# Allegro board MinnowMax_RevA1.brd (continued)
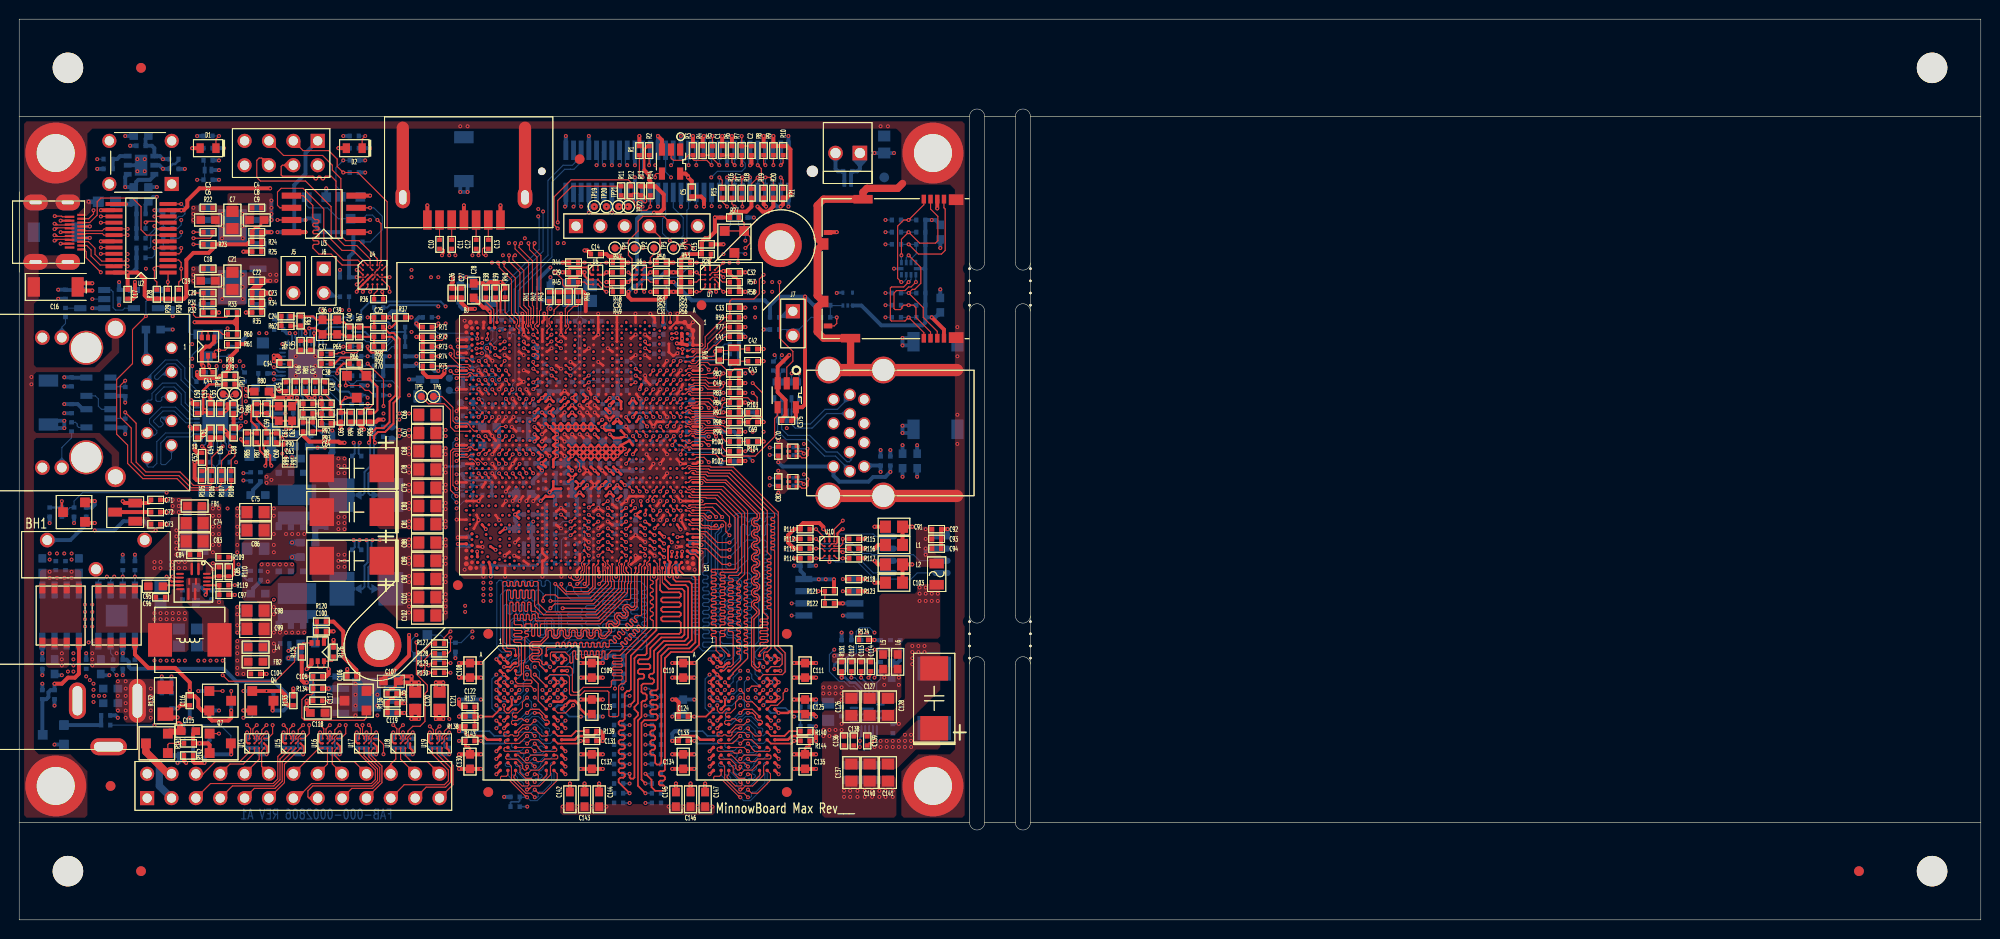
[diagram p0: board, top side]
## Nets (continued)
ISUMN: R249.1 R250.1 U27.17(ISUMN)
ISUMN_RC: C229.1 R249.2
ISUMNG: R62.1 R63.1 U27.36(ISUMNG)
ISUMNG_RC: C24.1 R62.2
ISUMP_R: R85.1 R285.2
ISUMPG_R: R70.1 R262.2
LAN_ACTIVE-: LAN1.27(LED0) R106.1
LAN_CLKREQ2_B: CPU1.BG5(P\C\I\E\_\C\L\K\R\E\Q\_\2\) R71.1 R232.1
LAN_CREQ: LAN1.12(CLKREQB) R231.2 R232.2
LAN_RSET: LAN1.31(RSET) R105.2
LAN_XTAL1: C252.1 LAN1.28(CKXTAL1) R264.2 Y3.3
LAN_XTAL2: C253.1 LAN1.29(CKXTAL2) R264.1 Y3.1
LED1-LINK: LAN1.26(LED1/GPO) R107.1
LED2-LINK: LAN1.25(LED2(LED1)) R108.1
LED_100_10: U28.4(Y) U30.1(A)
LED_1000: U25.4(Y) U26.1(A)
LED_LEFT: J8.D1 R207.2
LED_RIGHT: J8.D3 R252.2
LGATE1: R286.1 U27.24(LGATE)
LGATE1_R: R286.2 U34.8(G2)
LGATEG: R263.1 U27.31(LGATEG)
LGATEG_R: R263.2 U31.8(G2)
LINK-GIGALED: C166.2 R108.2 U25.2(A)
LINK-LED: C209.2 R107.2 U28.2(A)
LPC_RCOMP: CPU1.BF18(LPC_RCOMP) R241.1
LPCPD_L: CPU1.G18(P\M\C\_\S\U\S\_\S\T\A\T\) TP7.1
LPE_I2S_CLK: CPU1.BF28(LPE_I2S2_CLK) R127.2
LPE_I2S_DATIN: CPU1.BD28(LPE_I2S2_DATAIN) R128.2
LPE_I2S_DATOUT: CPU1.BC30(LPE_I2S2_DATAOUT) R130.2 R259.2 R260.1
LPE_I2S_FRM: CPU1.BA30(LPE_I2S2_FRM) R129.2 R268.1
LS_OE: R167.1 R168.1 R172.2 U2.5(LS_OE)
LSENB: R52.1 U6.C2(OE)
LSS_OE1: R336.2 U17.C2(OE)
LSS_OE2: R338.2 U15.C2(OE)
LSS_OE3: R334.2 U19.C2(OE)
LSS_OE4: R335.2 U18.C2(OE)
LSS_OE5: R337.2 U16.C2(OE)
M_A_DRAMRST_L: CPU1.P41(D\R\A\M\0\_\D\R\A\M\R\S\T\) R353.1
M_A_RST_L: C374.2 MEM1.T2(/RESET) MEM2.T2(/RESET) MEM3.T2(/RESET) MEM4.T2(/RESET) R353.2
M_BS_A0: CPU1.K47(DRAM0_BS_00) MEM1.M2(BA0) MEM2.M2(BA0) MEM3.M2(BA0) MEM4.M2(BA0) R330.1
M_BS_A1: CPU1.K44(DRAM0_BS_11) MEM1.N8(BA1) MEM2.N8(BA1) MEM3.N8(BA1) MEM4.N8(BA1) R328.1
M_BS_A2: CPU1.D52(DRAM0_BS_22) MEM1.M3(BA2) MEM2.M3(BA2) MEM3.M3(BA2) MEM4.M3(BA2) R314.1
M_CAS_A_L: CPU1.M44(D\R\A\M\0\_\C\A\S\) MEM1.K3(/CAS) MEM2.K3(/CAS) MEM3.K3(/CAS) MEM4.K3(/CAS) R317.1
M_CKE_A0: CPU1.C47(DRAM0_CKE_00) MEM1.K9(CKE) MEM2.K9(CKE) MEM3.K9(CKE) MEM4.K9(CKE) R312.1
M_CLK_A_N0: C331.1 CPU1.M48(DRAM0_CKN_0) MEM1.K7(/CK) MEM2.K7(/CK) MEM3.K7(/CK) MEM4.K7(/CK) R304.1
M_CLK_A_P0: C331.2 CPU1.M50(DRAM0_CKP_0) MEM1.J7(CK) MEM2.J7(CK) MEM3.J7(CK) MEM4.J7(CK) R305.1
M_CLK_A_R: C320.1 R304.2 R305.2
M_CS_A_L0: CPU1.P44(D\R\A\M\0\_\C\S\_\0\) MEM1.L2(/CS) MEM2.L2(/CS) MEM3.L2(/CS) MEM4.L2(/CS) R318.1
M_DATA_A0: CPU1.M36(DRAM0_DQ_00) MEM2.E3(DQL0)
M_DATA_A1: CPU1.J36(DRAM0_DQ_11) MEM2.F7(DQL1)
M_DATA_A2: CPU1.P40(DRAM0_DQ_22) MEM2.F2(DQL2)
M_DATA_A3: CPU1.M40(DRAM0_DQ_33) MEM2.F8(DQL3)
M_DATA_A4: CPU1.P36(DRAM0_DQ_44) MEM2.H3(DQL4)
M_DATA_A5: CPU1.N36(DRAM0_DQ_55) MEM2.H8(DQL5)
M_DATA_A6: CPU1.K40(DRAM0_DQ_66) MEM2.G2(DQL6)
M_DATA_A7: CPU1.K42(DRAM0_DQ_77) MEM2.H7(DQL7)
M_DATA_A8: CPU1.B32(DRAM0_DQ_88) MEM2.C8(DQU2)
M_DATA_A9: CPU1.C32(DRAM0_DQ09_C32) MEM2.D7(DQU0)
M_DATA_A10: CPU1.C36(DRAM0_DQ_1010) MEM2.C3(DQU1)
M_DATA_A11: CPU1.A37(DRAM0_DQ_1111) MEM2.C2(DQU3)
M_DATA_A12: CPU1.C33(DRAM0_DQ_1212) MEM2.B8(DQU6)
M_DATA_A13: CPU1.A33(DRAM0_DQ_1313) MEM2.A7(DQU4)
M_DATA_A14: CPU1.C37(DRAM0_DQ_1414) MEM2.A3(DQU7)
M_DATA_A15: CPU1.B38(DRAM0_DQ_1515) MEM2.A2(DQU5)
M_DATA_A16: CPU1.F36(DRAM0_DQ_1616) MEM3.E3(DQL0)
M_DATA_A17: CPU1.G38(DRAM0_DQ_1717) MEM3.F7(DQL1)
M_DATA_A18: CPU1.F42(DRAM0_DQ_1818) MEM3.F2(DQL2)
M_DATA_A19: CPU1.J42(DRAM0_DQ_1919) MEM3.F8(DQL3)
M_DATA_A20: CPU1.G40(DRAM0_DQ_2020) MEM3.H3(DQL4)
M_DATA_A21: CPU1.C38(DRAM0_DQ_2121) MEM3.H8(DQL5)
M_DATA_A22: CPU1.G44(DRAM0_DQ_2222) MEM3.G2(DQL6)
M_DATA_A23: CPU1.D42(DRAM0_DQ_2323) MEM3.H7(DQL7)
M_DATA_A24: CPU1.A41(DRAM0_DQ_2424) MEM3.B8(DQU6)
M_DATA_A25: CPU1.C41(DRAM0_DQ_2525) MEM3.A7(DQU4)
M_DATA_A26: CPU1.A45(DRAM0_DQ_2626) MEM3.C3(DQU1)
M_DATA_A27: CPU1.B46(DRAM0_DQ_2727) MEM3.C2(DQU3)
M_DATA_A28: CPU1.C40(DRAM0_DQ_2828) MEM3.C8(DQU2)
M_DATA_A29: CPU1.B40(DRAM0_DQ_2929) MEM3.D7(DQU0)
M_DATA_A30: CPU1.B48(DRAM0_DQ_3030) MEM3.A2(DQU5)
M_DATA_A31: CPU1.B47(DRAM0_DQ_3131) MEM3.A3(DQU7)
M_DATA_A32: CPU1.K52(DRAM0_DQ_3232) MEM1.D7(DQU0)
M_DATA_A33: CPU1.K51(DRAM0_DQ_3333) MEM1.C8(DQU2)
M_DATA_A34: CPU1.T52(DRAM0_DQ_3434) MEM1.A3(DQU7)
M_DATA_A35: CPU1.T51(DRAM0_DQ_3535) MEM1.A2(DQU5)
M_DATA_A36: CPU1.L51(DRAM0_DQ_3636) MEM1.A7(DQU4)
M_DATA_A37: CPU1.L53(DRAM0_DQ_3737) MEM1.B8(DQU6)
M_DATA_A38: CPU1.R51(DRAM0_DQ_3838) MEM1.C2(DQU3)
M_DATA_A39: CPU1.R53(DRAM0_DQ_3939) MEM1.C3(DQU1)
M_DATA_A40: CPU1.T47(DRAM0_DQ_4040) MEM1.E3(DQL0)
M_DATA_A41: CPU1.T45(DRAM0_DQ_4141) MEM1.F7(DQL1)
M_DATA_A42: CPU1.Y40(DRAM0_DQ_4242) MEM1.F2(DQL2)
M_DATA_A43: CPU1.V41(DRAM0_DQ_4343) MEM1.F8(DQL3)
M_DATA_A44: CPU1.T48(DRAM0_DQ_4444) MEM1.H3(DQL4)
M_DATA_A45: CPU1.T50(DRAM0_DQ_4545) MEM1.H8(DQL5)
M_DATA_A46: CPU1.Y42(DRAM0_DQ_4646) MEM1.G2(DQL6)
M_DATA_A47: CPU1.AB40(DRAM0_DQ_4747) MEM1.H7(DQL7)
M_DATA_A48: CPU1.V45(DRAM0_DQ_4848) MEM4.E3(DQL0)
M_DATA_A49: CPU1.V47(DRAM0_DQ_4949) MEM4.F7(DQL1)
M_DATA_A50: CPU1.AD48(DRAM0_DQ_5050) MEM4.F2(DQL2)
M_DATA_A51: CPU1.AD50(DRAM0_DQ_5151) MEM4.F8(DQL3)
M_DATA_A52: CPU1.V48(DRAM0_DQ_5252) MEM4.H3(DQL4)
M_DATA_A53: CPU1.V50(DRAM0_DQ_5353) MEM4.H8(DQL5)
M_DATA_A54: CPU1.AB44(DRAM0_DQ_5454) MEM4.G2(DQL6)
M_DATA_A55: CPU1.Y45(DRAM0_DQ_5555) MEM4.H7(DQL7)
M_DATA_A56: CPU1.V52(DRAM0_DQ_5656) MEM4.D7(DQU0)
M_DATA_A57: CPU1.W51(DRAM0_DQ_5757) MEM4.C8(DQU2)
M_DATA_A58: CPU1.AC53(DRAM0_DQ_5858) MEM4.C3(DQU1)
M_DATA_A59: CPU1.AC51(DRAM0_DQ_5959) MEM4.C2(DQU3)
M_DATA_A60: CPU1.W53(DRAM0_DQ_6060) MEM4.B8(DQU6)
M_DATA_A61: CPU1.Y51(DRAM0_DQ_6161) MEM4.A7(DQU4)
M_DATA_A62: CPU1.AD52(DRAM0_DQ_6262) MEM4.A3(DQU7)
M_DATA_A63: CPU1.AD51(DRAM0_DQ_6363) MEM4.A2(DQU5)
M_DM_A0: CPU1.G36(DRAM0_DM_00) MEM2.E7(DML)
M_DM_A1: CPU1.B36(DRAM0_DM_11) MEM2.D3(DMU)
M_DM_A2: CPU1.F38(DRAM0_DM_22) MEM3.E7(DML)
M_DM_A3: CPU1.B42(DRAM0_DM_33) MEM3.D3(DMU)
M_DM_A4: CPU1.P51(DRAM0_DM_44) MEM1.D3(DMU)
M_DM_A5: CPU1.V42(DRAM0_DM_55) MEM1.E7(DML)
M_DM_A6: CPU1.Y50(DRAM0_DM_66) MEM4.E7(DML)
M_DM_A7: CPU1.Y52(DRAM0_DM_77) MEM4.D3(DMU)
M_DQS_A_N0: CPU1.K38(DRAM0_DQSN_00) MEM2.G3(/DQSL)
M_DQS_A_N1: CPU1.B34(DRAM0_DQSN_11) MEM2.B7(/DQSU)
M_DQS_A_N2: CPU1.F40(DRAM0_DQSN_22) MEM3.G3(/DQSL)
M_DQS_A_N3: CPU1.C43(DRAM0_DQSN_33) MEM3.B7(/DQSU)
M_DQS_A_N4: CPU1.M52(DRAM0_DQSN_44) MEM1.B7(/DQSU)
M_DQS_A_N5: CPU1.T44(DRAM0_DQSN_55) MEM1.G3(/DQSL)
M_DQS_A_N6: CPU1.Y48(DRAM0_DQSN_66) MEM4.G3(/DQSL)
M_DQS_A_N7: CPU1.AA51(DRAM0_DQSN_77) MEM4.B7(/DQSU)
M_DQS_A_P0: CPU1.J38(DRAM0_DQSP_00) MEM2.F3(DQSL)
M_DQS_A_P1: CPU1.C35(DRAM0_DQSP_11) MEM2.C7(DQSU)
M_DQS_A_P2: CPU1.D40(DRAM0_DQSP_22) MEM3.F3(DQSL)
M_DQS_A_P3: CPU1.B44(DRAM0_DQSP_33) MEM3.C7(DQSU)
M_DQS_A_P4: CPU1.N53(DRAM0_DQSP_44) MEM1.C7(DQSU)
M_DQS_A_P5: CPU1.T42(DRAM0_DQSP_55) MEM1.F3(DQSL)
M_DQS_A_P6: CPU1.Y47(DRAM0_DQSP_66) MEM4.F3(DQSL)
M_DQS_A_P7: CPU1.AB52(DRAM0_DQSP_77) MEM4.C7(DQSU)
M_MA_A0: CPU1.K45(DRAM0_MA_00) MEM1.N3(A0) MEM2.N3(A0) MEM3.N3(A0) MEM4.N3(A0) R329.1
M_MA_A1: CPU1.H47(DRAM0_MA_11) MEM1.P7(A1) MEM2.P7(A1) MEM3.P7(A1) MEM4.P7(A1) R346.1
M_MA_A2: CPU1.L41(DRAM0_MA_22) MEM1.P3(A2) MEM2.P3(A2) MEM3.P3(A2) MEM4.P3(A2) R342.1
M_MA_A3: CPU1.H44(DRAM0_MA_33) MEM1.N2(A3) MEM2.N2(A3) MEM3.N2(A3) MEM4.N2(A3) R345.1
M_MA_A4: CPU1.H50(DRAM0_MA_44) MEM1.P8(A4) MEM2.P8(A4) MEM3.P8(A4) MEM4.P8(A4) R341.1
M_MA_A5: CPU1.G53(DRAM0_MA_55) MEM1.P2(A5) MEM2.P2(A5) MEM3.P2(A5) MEM4.P2(A5) R347.1
M_MA_A6: CPU1.H49(DRAM0_MA_66) MEM1.R8(A6) MEM2.R8(A6) MEM3.R8(A6) MEM4.R8(A6) R350.1
M_MA_A7: CPU1.D50(DRAM0_MA_77) MEM1.R2(A7) MEM2.R2(A7) MEM3.R2(A7) MEM4.R2(A7) R352.1
M_MA_A8: CPU1.G52(DRAM0_MA_88) MEM1.T8(A8) MEM2.T8(A8) MEM3.T8(A8) MEM4.T8(A8) R349.1
M_MA_A9: CPU1.E52(DRAM0_MA_99) MEM1.R3(A9) MEM2.R3(A9) MEM3.R3(A9) MEM4.R3(A9) R344.1
M_MA_A10: CPU1.K48(DRAM0_MA_1010) MEM1.L7(A10(AP)) MEM2.L7(A10(AP)) MEM3.L7(A10(AP)) MEM4.L7(A10(AP)) R313.1
M_MA_A11: CPU1.E51(DRAM0_MA_1111) MEM1.R7(A11) MEM2.R7(A11) MEM3.R7(A11) MEM4.R7(A11) R348.1
M_MA_A12: CPU1.F47(DRAM0_MA_1212) MEM1.N7(A12(/BC)) MEM2.N7(A12(/BC)) MEM3.N7(A12(/BC)) MEM4.N7(A12(/BC)) R331.1
M_MA_A13: CPU1.J51(DRAM0_MA_1313) MEM1.T3(A13) MEM2.T3(A13) MEM3.T3(A13) MEM4.T3(A13) R351.1
M_MA_A14: CPU1.B49(DRAM0_MA_1414) MEM1.T7(A14) MEM2.T7(A14) MEM3.T7(A14) MEM4.T7(A14) R343.1
M_ODT_A0: CPU1.T41(DRAM0_ODT_0) MEM1.K1(ODT) MEM2.K1(ODT) MEM3.K1(ODT) MEM4.K1(ODT) R311.1
M_RAS_A_L: CPU1.M45(D\R\A\M\0\_\R\A\S\) MEM1.J3(/RAS) MEM2.J3(/RAS) MEM3.J3(/RAS) MEM4.J3(/RAS) R315.1
M_WE_A_L: CPU1.H51(D\R\A\M\0\_\W\E\) MEM1.L3(/WE) MEM2.L3(/WE) MEM3.L3(/WE) MEM4.L3(/WE) R316.1
M_ZQ1: MEM2.L8(ZQ) R140.1
M_ZQ2: MEM3.L8(ZQ) R327.1
M_ZQ3: MEM1.L8(ZQ) R139.1
M_ZQ4: MEM4.L8(ZQ) R332.1
MCSI_RCOMP: CPU1.P14(RESERVED_P14) R213.1
MDI_N0: J8.10 LAN1.2(MDIN0)
MDI_N1: J8.8 LAN1.5(MDIN1)
MDI_N2: J8.6 LAN1.7(MDIN2(NC))
MDI_N3: J8.4 LAN1.10(MDIN3(NC))
MDI_P0: J8.9 LAN1.1(MDIP0)
MDI_P1: J8.7 LAN1.4(MDIP1)
MDI_P2: J8.5 LAN1.6(MDIP2(NC))
MDI_P3: J8.3 LAN1.9(MDIP3(NC))
MMC1_RCOMP: CPU1.AY18(MMC1_RCOMP) R240.2
MPCIE_CLKREQ3_B: CPU1.BE3(P\C\I\E\_\C\L\K\R\E\Q\_\3\) J10.24 R2.1
MPCIE_REFCLK_N: CPU1.AM4(PCIE_CLKN_33) J10.11 TP20.1
MPCIE_REFCLK_P: CPU1.AM6(PCIE_CLKP_33) J10.9 TP19.1
MPCIE_RX_N: CPU1.AP7(PCIE_RXN_3) J10.18 TP24.1
MPCIE_RX_P: CPU1.AP9(PCIE_RXP_3) J10.16 TP23.1
MPCIE_TX_N: CPU1.AP4(PCIE_TXN_3) J10.17 TP22.1
MPCIE_TX_P: CPU1.AP6(PCIE_TXP_3) J10.15 TP21.1
MPCIE_WAKEB: CPU1.A17(GPIO_S5_3) J10.22 R1.1
MSATA_RX_N: C177.1 J10.6
MSATA_RX_P: C178.1 J10.4
MSATA_TX_N: C180.1 J10.5
MSATA_TX_P: C179.1 J10.3
NTC: R229.2 U27.9(NTC)
NTC_R: R229.1 R244.2 R287.2
NTCG: R203.2 U27.35(NTCG)
NTCG_R: R202.2 R203.1 R272.2
PB_RES: R308.1 U35.3(PS_IN#)
PCIE_CLK-N2: CPU1.AK4(PCIE_CLKN_22) LAN1.16(REFCLK_N) TP17.1
PCIE_CLK-P2: CPU1.AK6(PCIE_CLKP_22) LAN1.15(REFCLK_P) TP18.1
PCIE_RCOMP_N: CPU1.AP13(PCIE_RCOMP_N_AP13_AP13) R218.2
PCIE_RCOMP_P: CPU1.AP14(PCIE_RCOMP_P_AP14_AP14) R218.1
PCIE_RXN2: C205.2 CPU1.AP10(PCIE_RXN_2)
PCIE_RXP2: C206.2 CPU1.AP12(PCIE_RXP_2)
PCIE_TXN2: C207.2 CPU1.AT6(PCIE_TXN_2)
PCIE_TXP2: C208.2 CPU1.AT7(PCIE_TXP_2)
PCU_SMB_ALERT: CPU1.BG11(P\C\U\_\S\M\B\_\A\L\E\R\T\) R75.2
PCU_SMB_BUFF_ENB: R49.2 U5.C2(OE)
PCU_SMB_CLK: CPU1.BH10(PCU_SMB_CLK) R45.2 U5.D1(A2)
PCU_SMB_DATA: CPU1.BG12(PCU_SMB_DATA) R177.2 U5.D2(A1)
PCU_UART3_RXD: CPU1.BC16(GPIO_S0_SC_61) U6.D2(A1)
PCU_UART3_TXD: CPU1.BD14(GPIO_S0_SC_57) U6.D1(A2)
PHASE1: C204.2 L10.1 R290.2 R296.1 SP4.2 U27.23(PHASE) U34.10(PHASE/D2)
PHASEG: C190.2 L9.1 R271.2 R276.1 SP2.2 U27.32(PHASEG) U31.10(PHASE/D2)
PMC_ACPRESENT: CPU1.D20(PMC_ACPRESENT) R236.1
PMC_BATLOW: CPU1.K26(P\M\C\_\B\A\T\L\O\W\) R256.1
PMC_CORE_PWROK: C33.1 CPU1.B7(PMC_CORE_PWROK) R16.1 R59.1
PMC_OE: R57.2 U7.C2(OE)
PMC_PCIE_WAKE: D3.1 D3.2 LAN1.21(LANWAKEB) R27.1
PMC_PCIE_WAKE_R: CPU1.F26(P\M\C\_\W\A\K\E\_\P\C\I\E\_\0\) D3.3 R253.1
PMC_PLTRST_L: LAN1.19(PERSTB) R56.2 U7.D1(B4)
PMC_PLTRST_R_V1P8: CPU1.F20(P\M\C\_\P\L\T\R\S\T\) R17.1 U7.D3(A4)
PMC_PWRBTN: CPU1.J26(P\M\C\_\P\W\R\B\T\N\) D10.2(A2) R161.1
PMC_RSMRST: C49.1 CPU1.B10(P\M\C\_\R\S\M\R\S\T\) D6.3 R15.1 R82.1 R83.1
PMC_RSTBTN: C1.1 CPU1.BG9(P\M\C\_\R\S\T\B\T\N\) J10.46 R6.1
PMC_SLP_S0IX: CPU1.F18(P\M\C\_\S\L\P\_\S\0\I\X\) TP10.1
PMC_SLP_S3_L: CPU1.D22(P\M\C\_\S\L\P\_\S\3\) U7.A3(A1)
PMC_SLP_S4_L: CPU1.F22(P\M\C\_\S\L\P\_\S\4\) U7.B3(A2)
PMC_SUSCLK0: CPU1.G24(PMC_SUSCLK0_G24) R58.1 U7.C3(A3)
PS3_BST: R291.1 U13.10(BST)
PS3_EN: C85.1 R109.1 R110.2 U13.13(EN)
PS3_LDO: C95.2 U13.6(LDO)
PS3_VCC: C97.1 R119.2 U13.11(VCC)
PS3VSB_PHASE: C306.1 L3.1 U13.8(SW1) U13.9(SW2) U13.15(SW3) U13.16(SW4)
PS5VSB_VIN: C74.2 C83.2 C84.2 C282.2 C298.2 FB1.2 FB11.2 R109.2 U13.1(VIN)
PS_OUT_L: D10.3(C) R289.1 U35.7(PS_OUT#)
PSGOOD: C44.2 D11.3 Q1.2(B1) R206.1
PSPUP: Q1.5(B2) Q1.6(C1) R60.2
PWM0: JP1.22 U18.A1(B1)
PWM1: JP1.24 U18.B1(B2)
PWR_BUF1: R26.1 U7.A2(VCCB)
PWR_LEDR: D1.1(C) R148.2
RC: C296.2 R290.1
RC_ENB: C338.2 R132.1
RCG: C270.2 R271.1
REGOUT: L8.1 LAN1.24(REGOUT(NC))
RESERVED_VSS6: CPU1.BB5(RESERVED_VSS6) R72.1
RESERVED_VSS7: CPU1.BB7(RESERVED_VSS7) R192.1
RTCRST_L: C285.2 CPU1.C12(I\L\B\_\R\T\C\_\R\S\T\) R279.2
S5_ENBL: Q4.B(BASE) Q10.D(DRAIN) R133.2
S5_SEL: R307.1 U35.1(DEEPS5_SEL)
SATA0_RXN: C12.2 CPU1.AV16(SATA_RXN_0)
SATA0_RXN_C: C12.1 J3.5
SATA0_RXP: C13.2 CPU1.AU16(SATA_RXP_0)
SATA0_RXP_C: C13.1 J3.6
SATA0_TXN: C11.2 CPU1.BG7(SATA_TXN_0)
SATA0_TXN_C: C11.1 J3.3
SATA0_TXP: C10.2 CPU1.BF6(SATA_TXP_0)
SATA0_TXP_C: C10.1 J3.2
SATA1_RXN: C177.2 CPU1.BA16(SATA_RXN_1)
SATA1_RXP: C178.2 CPU1.AY16(SATA_RXP_1)
SATA1_TXN: C180.2 CPU1.BF10(SATA_TXN_1)
SATA1_TXP: C179.2 CPU1.BD10(SATA_TXP1)
SATA_GP0: CPU1.BA12(SATA_GP0) R220.2
SATA_GP1: CPU1.AY14(SATA_GP1) R221.2
SATA_LED_B: CPU1.AY12(S\A\T\A\_\L\E\D\) R179.1
SATA_LED_R: J6.2 R179.2
SATA_RCOMP_N: CPU1.AT18(SATA_RCOMP_N_AT18) R239.1
SATA_RCOMP_P: CPU1.AU18(SATA_RCOMP_P_AU18) R239.2
SCLK: R228.2 U27.5(SCLK)
SD3_1P8EN: CPU1.BF22(SD3_1P8EN) TP12.1
SD3_CD#: CPU1.BC24(SD3_CD#) P2.10(CD) R182.2 R354.2 U23.3(IO1)
SD3_CLK: CPU1.AY26(SD3_CLK) R160.2
SD3_CLK_R: P2.5(CLOCK) R157.1 R160.1 U22.8(IO6)
SD3_CMD: CPU1.AV28(SD3_CMD) R175.2
SD3_CMD_R: P2.3(CMD) R173.1 R175.1 U22.7(IO5)
SD3_D0: CPU1.AT28(SD3_D0) R159.2
SD3_D0_R: P2.7(DAT0) R156.1 R159.1 U22.6(IO4)
SD3_D1: CPU1.BD26(SD3_D1) R158.2
SD3_D1_R: P2.8(DAT1) R155.1 R158.1 U22.3(IO3)
SD3_D2: CPU1.AU28(SD3_D2) R181.2
SD3_D2_R: P2.1(DAT2) R180.1 R181.1 U22.2(IO2)
SD3_D3: CPU1.BA26(SD3_D3) R176.2
SD3_D3_R: P2.2(CD/DAT3) R174.1 R176.1 U22.1(IO1)
SD3_PU: J7.1 R183.2
SD3_RCOMP: CPU1.BF26(SD3_RCOMP) R258.2
SD3_WP: CPU1.BD5(SD3_WP_BD5) J7.2 R184.2 R354.1
SI0_I2C5_SCL: CPU1.BG28(SIO_I2C5_CLK) R270.1
SI0_I2C5_SDA: CPU1.BH28(SIO_I2C5_DATA) R269.1
SI0_I2C6_SCL: CPU1.BG29(SIO_I2C6_CLK) R12.1
SI0_I2C6_SDA: CPU1.BJ29(SIO_I2C6_DATA) R11.1
SIO_I2C1_SCL: CPU1.BH24(SIO_I2C1_CLK) TP5.1
SIO_I2C1_SDA: CPU1.BG24(SIO_I2C1_DATA) TP6.1
SIO_OE: R339.2 U14.C2(OE)
SIO_SPI_CLK: JP1.11 U15.D1(B4)
SIO_SPI_CS1: JP1.5 U15.A1(B1)
SIO_SPI_MISO: JP1.7 U15.B1(B2)
SIO_SPI_MOSI: JP1.9 U15.C1(B3)
SIO_UART1_CTSB: CPU1.AY34(S\I\O\_\U\A\R\T\1\_\C\T\S\) U14.C3(A3)
SIO_UART1_RTSB: CPU1.BA34(S\I\O\_\U\A\R\T\1\_\R\T\S\) U14.D3(A4)
SIO_UART1_RXD: CPU1.AU34(SIO_UART1_RXD) U14.B3(A2)
SIO_UART1_TXD: CPU1.AV34(SIO_UART1_TXD) U14.A3(A1)
SIO_UART2_RXD: CPU1.BF34(SIO_UART2_RXD) U17.D3(A4)
SIO_UART2_TXD: CPU1.BD34(SIO_UART2_TXD) U17.C3(A3)
SLP_S3_L: D11.2 Q7.G(GATE) R53.2 R302.1 U7.A1(B1)
SLP_S4_L: R54.2 R300.1 U7.B1(B2) U35.4(SLP_S5#)
SM_VREF_CA1_A: C133.1 C344.1 MEM2.M8(VREFCA) MEM3.M8(VREFCA) R144.2 R326.2
SM_VREF_CA2_A: C131.1 C345.1 MEM1.M8(VREFCA) MEM4.M8(VREFCA) R143.2 R333.2
SM_VREF_DQ1_A: C124.1 C329.1 MEM2.H1(VREFDQ) MEM3.H1(VREFDQ) R310.2 R325.2
SM_VREF_DQ2_A: C122.1 C332.1 MEM1.H1(VREFDQ) MEM4.H1(VREFDQ) R137.2 R138.2
SOC_GPIO_S5_0: CPU1.B18(GPIO_S5_0) U19.A3(A1)
SOC_GPIO_S5_1: CPU1.B16(GPIO_S5_1) U19.B3(A2)
SOC_GPIO_S5_2: CPU1.C18(GPIO_S5_2) U19.C3(A3)
SOC_PWM0: CPU1.AU32(SIO_PWM_00) U18.A3(A1)
SOC_PWM1: CPU1.AT32(SIO_PWM_11) U18.B3(A2)
SOC_SIO_SPI_CLK: CPU1.AY30(SIO_SPI_CLK) U15.D3(A4)
SOC_SIO_SPI_CS1: CPU1.AV32(S\I\O\_\S\P\I\_\C\S\) U15.A3(A1)
SOC_SIO_SPI_MISO: CPU1.BA28(SIO_SPI_MISO) U15.B3(A2)
SOC_SIO_SPI_MOSI: CPU1.AY28(SIO_SPI_MOSI) U15.C3(A3)
SOC_SPI_CLK: CPU1.C22(PCU_SPI_CLK) R98.2
SOC_SPI_CLK-R: C69.2 R98.1 U4.E2(NO1)
SOC_SPI_CS0B: CPU1.C23(P\C\U\_\S\P\I\_\C\S\_\0\0\) R99.2
SOC_SPI_CS0B-R: R99.1 U4.D5(NO4)
SOC_SPI_CS1B: CPU1.C21(P\C\U\_\S\P\I\_\C\S\_\1\1\) R235.2
SOC_SPI_MISO: CPU1.B22(PCU_SPI_MISO) R36.2
SOC_SPI_MISO-R: R36.1 U4.E4(NO3)
SOC_SPI_MOSI: CPU1.A21(PCU_SPI_MOSI) R103.2
SOC_SPI_MOSI-R: R103.1 U4.E3(NO2)
SOC_USB_HOST_EN0: CPU1.C13(GPIO_S5_8) R115.2 U10.B3(A2)
SOC_USB_HOST_EN1: CPU1.A13(GPIO_S5_9) R117.2 U10.D3(A4)
SOC_USB_HOST_OC0: CPU1.C20(U\S\B\_\O\C\_\0\0\) R84.2 U10.A3(A1)
SOC_USB_HOST_OC1: CPU1.B20(U\S\B\_\O\C\_\1\1\) R97.2 U10.C3(A3)
SPI_CLK: U3.6(C) U4.A1(COM1)
SPI_CS0: R163.2 U3.1(S#) U4.D1(COM4)
SPI_HOLD: R165.2 U3.7(HOLD#/DQ3)
SPI_MISO: U3.2(DQ1/SO) U4.C1(COM3)
SPI_MOSI: U3.5(DQ0/SI) U4.B1(COM2)
SPI_PWR_FET_GATE: D8.3(C) Q8.G(GATE) U4.B4(IN1) U4.D3(IN2)
SPI_WP: R164.2 U3.3(WP#/VPP/DQ2)
SUSCLK_3P3: R55.1 U7.C1(B3)
SUSPWRDNACK: CPU1.D26(PMC_SUSPWRDNACK) R254.1 TP14.1
SVID_ALERT: CPU1.B24(S\V\I\D\_\A\L\E\R\T\) R100.1
SVID_ALERT-R: R100.2 R104.1 R223.1 R227.1
SVID_CLK-R: CPU1.C25(SVID_CLK) R224.1 R228.1
SVID_DATA: CPU1.A25(SVID_DATA) R101.1
SVID_DATA-R: R101.2 R197.1 R201.1
SYS_EN: C358.2 Q6.G(GATE) Q12.D(DRAIN) Q13.G(GATE) R141.2 R340.1
SYS_EN_GATE: Q7.D(DRAIN) Q12.G(GATE) R142.1
SYS_PWR_LEDR: D2.1(C) R146.2
SYS_PWRGD: D12.1 D12.2 Q1.3(C2) R59.2 R61.2
TP9_NET: CPU1.BH30(GPIO_S0_SC_092) R243.1 TP13.1
TP10_NET: CPU1.BG30(GPIO_S0_SC_093) R261.1 TP16.1
UART1_CTSB: JP1.10 U14.C1(B3)
UART1_RTSB: JP1.12 U14.D1(B4)
UART1_RXD: JP1.8 U14.B1(B2)
UART1_TXD: JP1.6 U14.A1(B1)
UART2_RXD: JP1.19 U17.D1(B4)
UART2_TXD: JP1.17 U17.C1(B3)
UGATE1: R297.1 U27.22(UGATE)
UGATE1_R: R296.2 R297.2 U34.1(G1)
UGATEG: R277.1 U27.33(UGATEG)
UGATEG_R: R276.2 R277.2 U31.1(G1)
USB3_REXT0: CPU1.M12(USB3_REXT0) R212.1
USB3_RX0N_C: CHOKE1.2 U29.5(D2-) U29.6(NC4) USB1.5(SSRX-)
USB3_RX0P_C: CHOKE1.1 U29.4(D2+) U29.7(NC3) USB1.6(SSRX+)
USB3_RXN0: CHOKE1.3 CPU1.E3(USB3_RXN0)
USB3_RXP0: CHOKE1.4 CPU1.D4(USB3_RXP0)
USB3_TX0N-R: C191.2 CHOKE2.1
USB3_TX0N_C: CHOKE2.4 U29.2(D1-) U29.9(NC2) USB1.8(SSTX-)
USB3_TX0P-R: C192.2 CHOKE2.2
USB3_TX0P_C: CHOKE2.3 U29.1(D1+) U29.10(NC1) USB1.9(SSTX+)
USB3_TXN0: C191.1 CPU1.K7(USB3_TXN0)
USB3_TXP0: C192.1 CPU1.K6(USB3_TXP0)
USB_DN0: CHOKE4.2 CPU1.K16(USB_DN0)
USB_DN1: CHOKE3.2 CPU1.G14(USB_DN1)
USB_DP0: CHOKE4.1 CPU1.M16(USB_DP0)
USB_DP1: CHOKE3.1 CPU1.J14(USB_DP1)
USB_H0: CHOKE4.4 U9.1(D+) USB1.3(DA+)
USB_H1: CHOKE3.4 U8.1(D+) USB1.12(DB+)
USB_HOST_BUFF_ENB: R116.1 U10.C2(OE)
USB_HOST_DN: CPU1.J12(USB_DN2) J10.12
USB_HOST_DP: CPU1.K12(USB_DP2) J10.10
USB_HOST_EN0: R112.1 U10.B1(B2) U32.3(EN1)
USB_HOST_EN1: R114.1 U10.D1(B4) U32.4(EN2)
USB_HOST_OC0: R111.1 U10.A1(B1) U32.8(/OC1)
USB_HOST_OC1: R113.1 U10.C1(B3) U32.5(/OC2)
USB_HSIC0_RCOMP: CPU1.A7(USB_HSIC_RCOMP) R77.2
USB_L0: CHOKE4.3 U9.2(D-) USB1.2(DA-)
USB_L1: CHOKE3.3 U8.2(D-) USB1.11(DB-)
USB_PLL_MON: CPU1.M13(USB_PLL_MON) TP3.1
USB_RCOMP: CPU1.C7(USB_RCOMPI) CPU1.D6(USB_RCOMPO) R185.2
USBP1: L1.1 U32.7(OUT1)
USBP2: L2.1 U32.6(OUT2)
VCNTL_V1P0S: C117.1 R320.1 U38.6(VCNTL)
VCORE_COMP: C226.1 C227.2 C228.2 R245.1 R246.2 U27.11(COMP)
VCORE_FB: C228.1 R90.1 R92.2 R93.1 R247.1 U27.12(FB)
VCORE_GFX_PG: C65.2 D4.3 R94.1 R306.1
VCORE_PG: C38.2 D4.1 R66.1 R96.1
VCORE_PG_R: R66.2 U27.7(PGOOD)
VCORE_RTN: C47.2 R81.2 R248.2 U27.16(RTN)
VCORE_RTNG: C35.2 R64.2 R199.2 U27.38(RTNG)
VR_HOT_L: CPU1.C24(P\R\O\C\H\O\T\) R255.1 U27.8(VR_HOT#)
VR_ON: C203.2 R225.2 R226.1 U27.6(VR_ON)
VSUMN: C59.1 C60.2 C61.1 C62.1 C229.2 R86.1 R88.1 R250.2 R285.1
VSUMN_R: R88.2 SP3.1
VSUMNG: C24.2 C25.2 C36.1 C39.1 C40.1 R63.2 R67.1 R68.1 R262.1
VSUMNG_R: R68.2 SP1.1
VSUMP: C59.2 C61.2 C62.2 R85.2 R86.2 R87.1 U27.18(ISUMP)
VSUMP_R: R87.2 SP4.1
VSUMPG: C36.2 C39.2 C40.2 R67.2 R69.1 R70.2 U27.37(ISUMPG)
VSUMPG_R: R69.2 SP2.1
VWG: C189.2 R198.2 U27.1(VWG)
XDP_H_OBSDATA_A0: CPU1.N24(GPIO_S5_23) J10.34
XDP_H_OBSDATA_A1: CPU1.M20(GPIO_S5_24) J10.33
XDP_H_OBSDATA_A2: CPU1.J18(GPIO_S5_25) J10.35
XDP_H_OBSDATA_A3: CPU1.M18(GPIO_S5_26) J10.36
XDP_H_PRDYB: CPU1.D18(T\A\P\_\P\R\D\Y\) J10.39
XDP_H_PREQB: CPU1.F16(T\A\P\_\P\R\E\Q\) U1.4(Y)
XDP_H_PREQB_PB: J10.40 R3.1 U1.2(A)
XDP_H_TCK: CPU1.D14(TAP_TCK) J10.54 R8.2
XDP_H_TDI: CPU1.F12(TAP_TDI) J10.58 R10.2
XDP_H_TDO: CPU1.G16(TAP_TDO) J10.57 R21.2
XDP_H_TMS: CPU1.F14(TAP_TMS) J10.56 R9.2
XDP_H_TRSTB: CPU1.G12(T\A\P\_\T\R\S\T\) J10.52 R19.2
XTAL25_IN: C175.2 CPU1.AH12(ICLK_OSCIN) R188.1 Y2.1
XTAL25_OUT: C176.2 CPU1.AH10(ICLK_OSCOUT) R188.2 Y2.3
N18417020: CPU1.AM2(RESERVED_VSS1) R41.2
N18419628: CPU1.AH2(RESERVED_VSS3) R43.1
N18424203: CPU1.AH3(RESERVED_VSS2) R46.1
N18467261: CPU1.B30(GPIO_S0_NC12) TP15.1
N20603611: CPU1.F1(RESERVED_F1) TP4.1
N20603657: CPU1.AA22(TP2_CORE_VCC_S0IX) TP2.1
N20603668: CPU1.AF30(TP_CORE_V1P05_S4) TP1.1
N22512410: C325.2 L12.1 L13.1 U36.1(S1) U36.2(S2) U36.3(S3)
N22694973: R299.2 U37.18(LP#)
N22695002: C342.2 U37.4(VTTREF)
N22695050: R298.1 U37.1(BST)
N22704229: C71.1 Q2.2(A2) Q9.1(A1)
N22704231: C306.2 R291.2
N22704235: C72.2 Q2.3(C)
N22704249: C72.1 C283.1 U13.5(CLK)
N22704253: C283.2 Q9.3(C)
N26450509: CPU1.AM3(RESERVED_VSS0) R42.2
N26450953: CPU1.AW1(VGA_IREF) R40.1

Pads without a net: CPU1 AB2 AB3 AB7 AB9 AB12 AB13 AB14 AC1 AC3 AD2 AD3 AD4 AD6 AD9 AD10 AD12 AD40 AD41 AF2 AF3 AF4 AF6 AF7 AF9 AF13 AF14 AF40 AF41 AF48 AF50 AF51 AF52 AG1 AG3 AG51 AG53 AH13 AH14 AH40 AH44 AH52 AJ51 AK2 AK3 AK7 AK9 AK40 AK42 AK45 AK47 AK48 AK50 AK51 AK52 AL1 AL3 AL51 AL53 AM9 AM10 AM13 AM14 AM41 AM42 AM45 AM47 AM48 AM50 AM52 AP41 AP42 AP44 AP45 AP47 AP48 AP50 AP51 AP52 AR51 AR53 AT9 AT10 AT13 AT14 AT20 AT22 AT26 AT34 AT36 AT40 AT41 AT42 AT44 AT45 AT48 AT50 AT51 AU20 AU22 AU26 AU36 AU53 AV4 AV6 AV9 AV10 AV20 AV22 AV26 AV36 AV40 AV44 AV45 AV48 AV50 AV52 AW41 AW51 AW53 AY2 AY6 AY7 AY20 AY24 AY38 AY40 AY42 AY44 AY45 AY47 AY48 AY51 AY52 B4 B5 B12 B26 B28 B50 BA1 BA3 BA18 BA20 BA24 BA36 BA38 BA42 BA51 BB3 BB4 BB44 BB47 BB49 BB50 BB51 BC18 BC36 BC38 BC40 BC44 BC52 BC53 BD2 BD18 BD20 BD32 BD36 BD38 BD40 BD42 BD44 BD47 BE46 BE51 BE52 BF2 BF27 BF32 BF40 BF42 BF48 BF50 BF52 BG13 BG14 BG15 BG16 BG17 BG18 BG19 BG20 BG21 BG22 BG23 BG25 BG26 BG27 BG32 BG33 BG35 BG36 BG37 BG38 BG40 BG41 BG43 BG47 BH4 BH5 BH6 BH7 BH8 BH14 BH16 BH18 BH20 BH22 BH26 BH32 BH34 BH36 BH38 BH40 BH42 BH44 BH46 BH47 BH48 BH49 BH50 BJ9 BJ13 BJ17 BJ21 BJ25 BJ33 BJ37 BJ41 BJ45 C17 C27 C29 C30 D2 D28 D32 D34 D48 E2 E46 F28 F32 F34 F44 G2 H3 H4 H5 H7 H8 H10 J3 J24 J28 J30 J34 K2 K3 K10 K24 K28 K34 L1 L3 M2 M3 M4 M6 M7 M9 M10 M30 M32 N3 N30 N32 N34 P2 P3 P6 P7 P10 P12 P34 P42 P45 P48 P50 R1 R3 T2 T3 T4 T6 T7 T9 T10 T12 T13 T14 V2 V3 V4 V6 V9 V10 V13 V14 W1 W3 Y2 Y3 Y4 Y6 Y12 Y13; D8 2; J1 7; J4 2 3 6; J8 M1 M2; MEM1 J1 J9 L1 L9 M7; MEM2 J1 J9 L1 L9 M7; MEM3 J1 J9 L1 L9 M7; MEM4 J1 J9 L1 L9 M7; NOREF#3 1; NOREF#12 1; NOREF#13 1; NOREF#25 1; NOREF#26 1; NOREF#39 1; NOREF#40 1; NOREF#41 1; NOREF#42 1; NOREF#43 1; P1 2; R235 1; SW1 2; U1 1; U4 A3 A5 C5 D4 E5; U8 3 5; U9 3 5; U13 3 12; U18 D3; U19 D3; U21 5; U22 4 9; U23 2 5; U24 5; U25 1; U27 13 14 15 25 27 28 29 30; U28 1; U39 1

## Via types
v1: diameter 0.406, hole 0.203, TOP to BOTTOM, 1873 vias

## Routing (per net, layer and track width the routed paths; a pad name or vN(x,y) marks a point on that pad's centre or on a via; arc(x,y) is an arc through that point)
3VSB_OK: length 1.6
  BOTTOM w0.114: R162.1 74.13,72.48 D10.1
5VSB_CTRL: length 35.2
  INT3(V) w0.102: v1(12.06,35.81) 13.08,34.8 13.08,25.78 14.73,24.13 14.73,20.95 v1(14.1,20.32)
  INT7(H) w0.102: v1(14.1,20.32) 15.37,21.59 19.68,21.59 20.19,21.08 v1(23.37,21.08)
  BOTTOM w0.114: R323.2 v1(14.1,20.32) ; R288.1 v1(12.06,35.81) U35.8 ; v1(23.37,21.08) 24.18,21.08 24.3,21.2 Q10.G
5VSB_GATE: length 4.9
  BOTTOM w0.406: Q14.G R323.1 C340.1
5VSB_LSENB: length 12.6
  TOP w0.406: U11.4 6.22,25.68 5.82,25.27 5.08,25.27 4.45,24.64 v1(3.68,24.64)
  BOTTOM w0.406: v1(3.68,24.64) R324.1 3.27,23.97 3.05,23.75 3.05,23.24 2.83,23.02 C341.2 2.41,19.34 Q14.D
+3VSB: length 125.4
  TOP w0.203: v1(23.75,19.56) 23.62,19.43 23.62,18.62 23.83,18.41 U14.A2 ; U18.A2 39.07,18.41 38.86,18.62 38.86,19.43 v1(38.99,19.56) ; U15.A2 27.64,18.41 27.43,18.62 27.43,19.43 v1(27.56,19.56) ; U17.A2 35.26,18.41 35.05,18.62 35.05,19.43 v1(35.18,19.56) ; v1(31.37,19.56) 31.24,19.43 31.24,18.62 31.45,18.41 U16.A2
  TOP w0.254: CPU1.P18 v1(63.97,54.37) CPU1.N18 ; CPU1.N22 v1(64.68,52.46)
  TOP w0.406: R54.1 R55.2 R56.1 v1(68.2,65.53) C31.2 67.4,64.99 67.12,64.7 63.82,64.7 63.5,65.02 v1(63.5,65.53) ; R54.1 R53.1 68.99,68.99 69.47,69.47 R26.2 C15.2 71.15,70.77 71.5,71.12 71.86,71.12 72.52,71.78 v1(72.52,73.28) R27.2 74.07,73.57 74.41,73.9 75.81,73.9 76.33,74.42 R18.1 ; R54.1 v1(68.2,67.56) R51.2 ; v1(18.3,49.39) 18.3,49.02 18.58,48.73 C52.1 ; v1(19.68,54.74) 19.94,54.48 C53.1 C55.1 ; R83.2 v1(75.69,54.99)
  TOP w0.762: Q6.D 13.21,17.53 15.49,15.24 JP1.4
  INT4(H) w0.406: v1(68.2,67.56) 67.69,68.07 65.53,68.07 65.15,68.45 v1(65.15,68.58)
  GND6 w0.508: JP1.4 16.79,15.24 ; JP1.4 15.88,16.15 ; JP1.4 14.96,15.24 ; JP1.4 15.88,14.33
  INT7(H) w0.406: v1(65.15,68.58) 65.15,68.45 65.53,68.07 67.69,68.07 v1(68.2,67.56) ; v1(36.07,79.25) 35.31,80.01 11.18,80.01 6.73,75.56 6.73,67.18 5.3,65.75 v1(4.06,65.75)
  BOTTOM w0.203: v1(19.68,54.74) 19.85,54.57 LAN1.11 ; v1(18.3,49.39) 18.3,49.79 18.65,50.14 LAN1.32
  BOTTOM w0.406: v1(4.06,65.75) C168.2 4.86,65.72 U26.5 ; v1(10.41,66.55) C167.2 10.45,65.72 U25.5 ; v1(64.68,52.46) 64.86,52.28 C214.2 ; v1(63.97,54.37) 63.91,54.31 C213.2 ; v1(68.2,67.56) 67.31,67.56 66.67,66.93 65.15,66.93 ; v1(4.7,56.61) C210.2 5.49,56.58 U28.5 ; 65.15,66.93 v1(65.15,68.58) ; 65.15,66.93 64.39,66.17 64.14,66.17 v1(63.5,65.53) ; U30.5 6.64,53.27 6.1,53.81 C232.2 v1(4.7,53.81) ; FB8.2 26.8,51.44 27.55,50.69 27.57,50.69 27.6,50.66 27.7,50.66 v1(27.81,50.55) 28.57,50.55 C250.1 ; C349.2 v1(38.99,19.56) ; C355.2 v1(27.56,19.56) ; R162.2 v1(72.52,73.28) ; C351.2 v1(35.18,19.56) ; C353.2 v1(31.37,19.56) ; C357.2 v1(23.75,19.56) ; FB6.1 v1(16,61.59) ; R147.1 v1(36.07,79.25)
  vias: v1(7.62,27.81) v1(7.62,27.18) v1(7.62,26.54) v1(10.16,27.81) v1(46.48,32.77) v1(46.48,32.13)
+3VSB_EN: length 18.4
  TOP w0.406: v1(22.1,21.84) 22.1,21.08 21.81,20.79 20.1,20.79 19.81,21.08 D6.2 19.05,21.84 18.67,22.23 18.67,22.99 18.32,23.33 C116.2 v1(17.78,24) 17.78,24.77 16.26,26.29 13.46,26.29 12.06,27.69 U12.4
  BOTTOM w0.406: v1(17.78,24) C116.2 ; v1(22.1,21.84) 22.1,22.82 Q11.D
